# KiCad board TRS80IJP_1.kicad_pcb (continued)
## Nets
/RAM/V0: Z9.5 Z10.5 Z36.9
/RAM/V1: Z9.6 Z10.6 Z36.4
/RAM/V2: Z9.7 Z10.7 Z36.12
/RAM/V3: Z9.4 Z10.4 Z36.7
/RAM/V4: Z9.3 Z10.3 Z29.9
/RAM/V5: Z9.2 Z10.2 Z29.4
/RAM/V6: Z8.9 Z9.1 Z10.1
/RAM/V7: Z8.12 Z9.17 Z10.17
/RAM/V8: Z8.4 Z9.16 Z10.16
/RAM/V9: Z8.7 Z9.15 Z10.15
GND: C1.2 C3.2 C4.2 C5.1 C6.1 C7.1 C8.1 C9.2 C10.2 C12.2 C13.1 C14.2 C15.1 C19.2 C20.1 C22.1 C23.1 C24.1 C25.1 C26.1 C27.1 C28.1 C29.1 C30.1 C31.1 C32.1 C33.1 C34.1 C35.1 C36.1 C37.1 C38.1 C39.1 C40.2 C41.1 C44.1 C45.1 C46.1 C47.1 C48.1 C49.1 C51.1 C52.1 C53.1 C54.1 C55.1 C56.1 C57.2 C58.1 C59.1 C63.1 C64.1 C65.1 C66.1 C67.1 C68.1 C69.1 C70.2 C71.1 C72.1 CN1.19 CN2.19 CR2.2 CR3.1 E1.8 E1.29 E1.37 FAN1.4 J1.4 J2.5 J3.2 JP4.4 JP5.4 NOREF.0 R2.1 R6.2 R8.2 R24.2 R25.2 R27.1 R37.1 R53.2 S2.1 Z1.7 Z2.7 Z3.4 Z4.8 Z5.7 Z6.10 Z7.10 Z8.8 Z8.15 Z9.8 Z9.9 Z10.8 Z10.9 Z11.8 Z12.10 Z13.8 Z13.15 Z14.8 Z14.15 Z15.16 Z16.16 Z17.16 Z18.16 Z19.16 Z20.16 Z21.16 Z22.16 Z23.10 Z23.19 Z24.8 Z25.7 Z26.7 Z27.5 Z27.8 Z27.15 Z28.10 Z29.8 Z29.15 Z30.8 Z31.7 Z32.7 Z33.7 Z34.2 Z34.3 Z34.10 Z35.10 Z36.8 Z36.15 Z37.9 Z38.9 Z39.1 Z39.8 Z39.15 Z40.7 Z41.7 Z42.12 Z43.12 Z44.7 Z45.7 Z46.7 Z47.7 Z48.29 Z49.10 Z50.7 Z51.7 Z52.7 Z53.7 Z53.12 Z54.7 Z55.7 Z56.8 Z57.1 Z57.2 Z57.3 Z57.6 Z57.8 Z57.14 Z58.1 Z58.2 Z58.3 Z58.6 Z58.8 Z59.8 Z60.7 Z61.8 Z62.7 Z63.7 Z64.7 Z65.10 Z66.8 Z66.15 Z67.7 Z68.10
P5V: C12.1 C13.2 C20.2 C22.2 C23.2 C24.2 C25.2 C26.2 C29.2 C32.2 C35.2 C38.2 C39.2 C44.2 C45.2 C46.2 C47.2 C49.2 C51.2 C52.2 C53.2 C54.2 C55.2 C56.2 C58.2 C59.2 C63.2 C64.2 C65.2 C66.2 C67.2 C68.2 C69.2 C71.2 C72.2 CN1.1 CN2.1 CR2.1 CR4.1 FAN1.3 JP9.1 K1.5 Q2.1 R5.2 R7.2 R16.2 R19.2 R20.1 R31.2 R34.1 R39.2 R40.2 R41.1 R48.1 R49.2 R52.2 R54.1 R55.1 R64.1 R65.1 R66.1 R67.1 R68.1 R69.1 R70.1 R71.1 R72.1 R74.1 R75.2 R76.1 R77.1 RP1.1 RP2.1 Z1.3 Z3.8 Z4.16 Z5.14 Z6.5 Z7.5 Z8.16 Z9.18 Z10.18 Z11.16 Z12.20 Z13.16 Z14.16 Z15.9 Z16.9 Z17.9 Z18.9 Z19.9 Z20.9 Z21.9 Z22.9 Z23.20 Z24.16 Z26.14 Z27.16 Z28.5 Z29.16 Z30.16 Z31.14 Z32.14 Z33.14 Z34.5 Z35.5 Z36.16 Z37.18 Z38.18 Z39.16 Z40.14 Z41.14 Z42.24 Z43.24 Z44.14 Z45.14 Z46.14 Z47.14 Z48.11 Z49.20 Z50.14 Z51.14 Z52.14 Z53.14 Z54.14 Z55.14 Z56.16 Z57.16 Z58.16 Z59.16 Z60.14 Z61.16 Z62.14 Z63.14 Z64.14 Z65.5 Z66.16 Z67.14 Z68.20
P12V: C14.1 C15.2 C27.2 C30.2 C33.2 C36.2 FAN1.1 R26.1 R30.1 Z1.11 Z1.12 Z2.3 Z15.8 Z16.8 Z17.8 Z18.8 Z19.8 Z20.8 Z21.8 Z22.8
!HALT: Z47.5 Z48.18
!IORQ: Z48.20 Z64.9 Z67.5 Z67.9
!M1: Z48.27 Z64.10
!MREQ: Z48.19 Z66.2 Z67.2 Z67.13
!NMI: Z45.10 Z48.17
!RD: Z44.10 Z47.9 Z48.21 Z67.10 Z67.12
!RESET: Z46.12 Z48.26
!SHIFT: Z50.12 Z57.7 Z58.7
!WR: Z44.9 Z48.22 Z67.1 Z67.4
/CPU/A0: CN1.5 CN2.5 E1.25 Z14.2 Z41.6 Z42.8 Z43.8 Z68.9
/CPU/A1: CN1.4 CN2.4 E1.27 Z14.5 Z41.5 Z42.7 Z43.7 Z68.12
/CPU/A2: CN1.6 CN2.6 E1.40 Z14.11 Z41.4 Z42.6 Z43.6 Z68.7
/CPU/A3: CN1.9 CN2.9 E1.34 Z14.14 Z41.3 Z42.5 Z43.5 Z68.14
/CPU/A4: CN1.2 CN2.2 E1.31 Z13.2 Z29.11 Z41.11 Z42.4 Z43.4 Z68.5
/CPU/A5: CN1.3 CN2.3 E1.35 Z13.5 Z41.12 Z42.3 Z43.3 Z68.16
/CPU/A6: CN1.7 CN2.7 E1.38 Z13.11 Z41.2 Z42.2 Z43.2 Z68.3
/CPU/A7: CN1.8 CN2.8 E1.36 Z14.3 Z41.1 Z42.1 Z43.1 Z68.18
/CPU/A8: E1.11 Z14.6 Z42.23 Z43.23
/CPU/A9: E1.17 Z14.10 Z42.22 Z43.22
/CPU/A10: E1.4
/CPU/A11: E1.9
/CPU/A12: E1.5
/CPU/A13: E1.6
/CPU/A14: E1.10
/CPU/A15: E1.7
/CPU/D0: E1.30 RP1.7 Z4.13 Z12.12 Z22.2 Z23.17 Z24.13
/CPU/D1: E1.22 RP1.4 Z4.12 Z12.11 Z21.2 Z23.18 Z24.3
/CPU/D2: E1.32 RP1.8 Z4.4 Z12.18 Z20.2 Z23.15 Z24.11
/CPU/D3: E1.26 RP1.9 Z4.5 Z12.17 Z19.2 Z30.11
/CPU/D4: E1.18 RP1.2 Z12.16 Z18.2 Z23.12 Z30.13
/CPU/D5: E1.28 RP1.6 Z12.15 Z17.2 Z23.13 Z24.9
/CPU/D6: E1.24 RP1.5 Z12.14 Z16.2 Z23.14 Z24.7 Z59.3
/CPU/D7: E1.20 RP1.3 Z12.13 Z15.2 Z23.16 Z24.5 Z53.2 Z59.5
/CPU/UA0: Z48.30 Z68.11
/CPU/UA1: Z48.31 Z68.8
/CPU/UA2: Z48.32 Z68.13
/CPU/UA3: Z48.33 Z68.6
/CPU/UA4: Z48.34 Z68.15
/CPU/UA5: Z48.35 Z68.4
/CPU/UA6: Z48.36 Z68.17
/CPU/UA7: Z48.37 Z68.2
/CPU/UA8: Z48.38 Z49.6
/CPU/UA9: Z48.39 Z49.4
/CPU/UA10: Z48.40 Z49.2
/CPU/UA11: Z48.1 Z49.17
/CPU/UA12: Z48.2 Z49.15
/CPU/UA13: Z48.3 Z49.13
/CPU/UA14: Z48.4 Z49.8
/CPU/UA15: Z48.5 Z49.11
/CPU/UD0: Z23.3 Z48.14
/CPU/UD1: Z23.2 Z48.15
/CPU/UD2: Z23.5 Z48.12
/CPU/UD3: Z23.9 Z48.8
/CPU/UD4: Z23.8 Z48.7
/CPU/UD5: Z23.7 Z48.9
/CPU/UD6: Z23.6 Z48.10
/CPU/UD7: Z23.4 Z48.13
/KEYBOARD & EDGE CONNECTOR/MD0: CN1.11 CN2.11 RP2.3 Z22.14 Z24.14 Z42.9 Z43.9
/KEYBOARD & EDGE CONNECTOR/MD1: CN1.12 CN2.16 RP2.2 Z21.14 Z24.2 Z42.10 Z43.10
/KEYBOARD & EDGE CONNECTOR/MD2: CN1.13 CN2.10 RP2.5 Z20.14 Z24.12 Z42.11 Z43.11
/KEYBOARD & EDGE CONNECTOR/MD3: CN1.14 CN2.13 RP2.7 Z19.14 Z30.12 Z42.13 Z43.13
/KEYBOARD & EDGE CONNECTOR/MD4: CN1.15 CN2.18 RP2.9 Z18.14 Z30.14 Z42.14 Z43.14
/KEYBOARD & EDGE CONNECTOR/MD5: CN1.16 CN2.12 RP2.8 Z17.14 Z24.10 Z42.15 Z43.15
/KEYBOARD & EDGE CONNECTOR/MD6: CN1.17 CN2.15 RP2.6 Z16.14 Z24.6 Z42.16 Z43.16
/KEYBOARD & EDGE CONNECTOR/MD7: CN1.18 CN2.17 RP2.4 Z15.14 Z24.4 Z42.17 Z43.17
/MEMORY/SMA0: R104.2 Z15.5 Z16.5 Z17.5 Z18.5 Z19.5 Z20.5 Z21.5 Z22.5
/MEMORY/SMA1: R107.2 Z15.7 Z16.7 Z17.7 Z18.7 Z19.7 Z20.7 Z21.7 Z22.7
/MEMORY/SMA2: R108.2 Z15.6 Z16.6 Z17.6 Z18.6 Z19.6 Z20.6 Z21.6 Z22.6
/MEMORY/SMA3: R103.2 Z15.12 Z16.12 Z17.12 Z18.12 Z19.12 Z20.12 Z21.12 Z22.12
/MEMORY/SMA4: R105.2 Z15.11 Z16.11 Z17.11 Z18.11 Z19.11 Z20.11 Z21.11 Z22.11
/MEMORY/SMA5: R106.2 Z15.10 Z16.10 Z17.10 Z18.10 Z19.10 Z20.10 Z21.10 Z22.10
/MEMORY/SMA6: R102.2 Z15.13 Z16.13 Z17.13 Z18.13 Z19.13 Z20.13 Z21.13 Z22.13
/RAM/BIT0: Z10.14 Z11.14 Z12.8
/RAM/BIT1: Z10.13 Z11.13 Z12.9
/RAM/BIT2: Z10.12 Z11.3 Z12.2
/RAM/BIT3: Z10.11 Z11.6 Z12.3
/RAM/BIT4: Z9.14 Z11.4 Z12.4
/RAM/BIT5: Z9.13 Z11.11 Z12.5
/VIDEO/CA0: Z11.15 Z37.7 Z38.7 Z39.6
/VIDEO/CA1: Z11.12 Z37.6 Z38.6 Z39.10
/VIDEO/CA2: Z11.2 Z37.5 Z38.5 Z39.5
/VIDEO/CA3: Z11.7 Z37.4 Z38.4 Z39.11
/VIDEO/CA4: Z11.5 Z37.3 Z38.3 Z39.4
/VIDEO/CA5: Z11.10 Z37.2 Z38.2 Z39.12
/VIDEO/CD0: Z37.12 Z38.12 Z57.4
/VIDEO/CD1: Z37.13 Z38.13 Z57.5
/VIDEO/CD2: Z37.14 Z38.14 Z57.10
/VIDEO/CD3: Z37.15 Z38.15 Z57.11
/VIDEO/CD4: Z37.16 Z38.16 Z57.12
A0: Z36.11
A1: Z36.2
A2: Z36.14
A3: Z36.5
A5: Z29.2
A6: Z8.11
A7: Z8.14
A8: Z49.14
A9: Z49.16
A10: Z14.13 Z42.19 Z43.19 Z49.18 Z61.14
A11: Z13.3 Z42.18 Z43.18 Z49.3 Z61.13
A12: Z13.6 Z42.21 Z43.21 Z49.5 Z61.2
A13: Z13.10 Z49.7 Z61.3
A14: Z44.12 Z44.13 Z49.12 Z64.1
A15: Z49.9 Z64.5
BIT6: Z9.12 Z12.6 Z56.13
BIT7: Z9.11 Z12.7 Z56.4
BLANK: Z54.1 Z56.5
C1: Z27.7 Z36.10
C2: Z27.13 Z34.9 Z36.3
C4: Z27.14 Z28.14 Z34.8 Z36.13
C8: Z28.1 Z28.12 Z36.6 Z46.1
C16: Z5.10 Z28.9 Z29.10 Z51.13
C32: Z5.11 Z28.8 Z29.3
CA6: Z37.1 Z38.1 Z56.15
CAS: E1.3 Z59.14 Z66.7
CASSIN: C17.1 J3.4 R37.2
CGA!CS: Z37.17 Z53.5
CGB!CS: Z38.17 Z53.6
CHAIN: Z27.9 Z34.1
CLOCK: Z27.3 Z50.8 Z62.11 Z63.3 Z63.11 Z65.1 Z65.14
CLOCK2: Z27.2 Z65.12
CSA: Z60.10 Z60.11 Z61.4
CSB: JP1.1 Z61.5
CSC: JP2.1 Z61.6
CSD: JP3.1 Z61.12
CTR: Z6.6 Z6.7 Z46.8 Z65.6 Z65.7
D3: Z23.11
ENABLE: Z30.1 Z46.10 Z49.1 Z49.19 Z66.1 Z68.1 Z68.19
FTAPEE: Z40.3 Z59.1
FTAPEIN: Z31.4 Z31.8 Z59.4
H: Z32.5 Z32.13 Z62.5
H1: R74.2 Z62.4 Z62.10 Z63.4 Z63.10
HDRV: Z5.9 Z28.11 Z35.14 Z54.3 Z62.1
IN: E1.19 Z30.9 Z40.1
INT: E1.21 R77.2 Z48.16
INTAK: E1.14 Z64.8
KYBD: CN1.10 CN2.14 Z60.4 Z61.10
L1: Z35.1 Z35.12 Z37.11 Z38.11 Z45.2
L2: Z35.9 Z37.10 Z38.10
L4: JP10.4 Z5.3 Z35.8 Z37.8 Z38.8 Z39.14
L8: Z5.5 Z34.14 Z35.11 Z39.2 Z52.12 Z56.12
LATCH: Z11.9 Z31.11 Z50.11 Z53.11 Z56.9
M5V: C6.2 C7.2 C8.2 C28.2 C31.2 C34.2 C37.2 CR3.2 FAN1.2 R12.2 Z15.1 Z16.1 Z17.1 Z18.1 Z19.1 Z20.1 Z21.1 Z22.1
MCAS: R69.2 R101.1 Z59.13
MEM: Z24.1 Z24.15 Z30.15 Z40.8
MODESIG: Z4.6 Z27.1 Z59.2
MRAS: R76.2 R109.1 Z66.11
MUX: E1.16 Z13.1 Z14.1 Z66.5
OUT: E1.12 Z30.7 Z40.5
OUTSIG: Z4.9 Z31.5 Z40.6 Z53.3
R1: Z7.14 Z8.10 Z33.13 Z34.12 Z44.1
R2: JP7.4 Z5.13 Z7.1 Z7.12 Z8.13 Z33.11
R4: JP6.1 JP8.4 Z7.9 Z8.3
R8: JP6.4 Z7.8 Z8.6
RAM: Z59.15 Z60.3 Z64.11
RAS: E1.1 Z64.4 Z66.3 Z66.12
RD: E1.15 Z29.5 Z30.5 Z40.10
RELAY2: CR4.2 K1.2 Z3.5
RELAYA: J3.1 K1.3 R1.1
RELAYB: C2.2 J3.3 K1.1
ROMA: Z42.20 Z60.8 Z60.13
ROMB: JP2.2 R72.2 Z43.20 Z60.2
SCLR: R68.2 Z57.9 Z58.9
SHIFT: Z6.14 Z27.4 Z50.13
SHIFT57: Z55.6 Z57.15
SHIFT58: Z55.8 Z58.15
SHIFTQ: Z3.1 Z3.2 Z54.13
SYNC: C43.2 R11.1 Z32.3
SYSRES: E1.2 Z45.13
TEST: E1.23 R55.2 Z46.11 Z47.10 Z48.25
V: Z32.9 Z32.12 Z52.8
VA8: Z8.2
VA9: Z8.5
VCLR: Z11.1 Z53.8 Z56.1
VDRV: Z5.1 Z7.11 Z44.2 Z52.2 Z54.2
VID: Z8.1 Z29.1 Z36.1 Z53.10 Z61.9
VRD: Z29.7 Z51.1
VWR: Z9.10 Z10.10 Z29.12 Z40.12 Z40.13 Z51.2
WAIT: E1.33 R41.2 Z48.24
WR: E1.13 R110.1 Z29.14 Z30.3
Z3_6: Z3.6 Z3.7 Z4.2
Z23DIR: Z23.1 Z47.11
Z251IN+: R35.1 Z25.1
Z251IN-: R44.1 R45.2 Z25.6
Z251OUT: CR6.2 R45.1 Z25.5
Z252IN+: R36.2 R38.1 Z25.2
Z252IN-: R43.1 Z25.3
Z252OUT: CR5.2 R42.1 R43.2 R44.2 Z25.4
Z253IN+: R46.1 Z25.13
Z253IN-: R47.1 Z25.8
Z253OUT: C50.1 Z25.9
Z254IN+: R33.2 Z25.12
Z254IN-: R50.1 R51.2 Z25.11
Z254OUT: CR7.2 R46.2 R51.1 Z25.10
Ø: R75.1 Z48.6 Z66.13
Net-(C1-Pad1): C1.1 R33.1 R34.2 R35.2 R36.1
Net-(C2-Pad1): C2.1 R1.2
Net-(C5-Pad2): C5.2 R12.1 S1.8
Net-(C17-Pad2): C17.2 C18.1 R42.2
Net-(C18-Pad2): C18.2 R38.2
Net-(C40-Pad1): C40.1 R31.1 R32.2 Z47.4
Net-(C50-Pad2): C50.2 R52.1 R53.1 Z31.10
Net-(C57-Pad1): C57.1 Z45.8 Z45.9 Z45.11 Z47.6
Net-(C60-Pad1): C60.1 R57.1 Z50.3
Net-(C60-Pad2): C60.2 R56.2 Z50.6 Z50.9
Net-(C70-Pad1): C70.1 R49.1 Z47.1 Z47.2
Net-(CR1-+): CR1.1 S1.2
Net-(CR1--): CR1.3 S1.1
Net-(CR1-Pad2): CR1.2 J1.3
Net-(CR1-Pad4): CR1.4 J1.1
Net-(CR5-K): C48.2 CR5.1 CR6.1 R50.2
Net-(CR7-K): CR7.1 CR8.2
Net-(CR8-K): C41.2 CR8.1 R47.2
Net-(J1-Pad2): J1.2 S1.4
Net-(J3-Pad5): J3.5 R2.2 R3.1 R4.1
Net-(JP1-Pin_2): JP1.2 R71.2 Z60.9
Net-(JP3-Pin_2): JP3.2 R70.2 Z60.5
Net-(JP4-Pin_1): JP4.1 R65.2
Net-(JP4-Pin_2): JP4.2 JP4.3 Z53.4
Net-(JP5-Pin_1): JP5.1 R67.2
Net-(JP5-Pin_2): JP5.2 JP5.3 Z53.1
Net-(JP6-Pin_2): JP6.2 JP6.3 Z5.2
Net-(JP7-Pin_1): JP7.1 Z33.10
Net-(JP7-Pin_2): JP7.2 JP7.3 Z52.1
Net-(JP8-Pin_1): JP8.1 R64.2
Net-(JP8-Pin_2): JP8.2 JP8.3 Z52.10
Net-(JP9-Pin_2): J2.1 JP9.2
Net-(JP10-Pin_1): JP10.1 Z46.4
Net-(JP10-Pin_2): JP10.2 JP10.3 Z5.4
Net-(Q1-B): Q1.3 R8.1 R9.2 R10.2
Net-(Q1-C): C3.1 C4.1 Q1.2 R7.1
Net-(Q1-E): J2.4 Q1.1 R6.1
Net-(Q2-B): C43.1 Q2.3 R11.2
Net-(Q2-C): Q2.2 R10.1
Net-(Q3-B): Q3.3 R14.1 Z1.10
Net-(Q3-C): Q3.2 Q4.1 R13.1
Net-(Q3-E): Q3.1 Q4.3 R14.2 R15.2 R16.1
Net-(Q4-E): C10.1 Q4.2 R13.2 S1.6 S1.7
Net-(Q5-B): Q5.3 R20.2
Net-(Q5-C): Q5.2 R21.1
Net-(Q5-E): Q5.1 R17.2 Z1.5
Net-(Q6-B): Q6.1 R28.1 Z2.11
Net-(Q6-C): Q6.3 R29.1 R30.2 Z2.10
Net-(Q6-E): C9.1 Q6.2 R28.2 S1.5 Z2.12
Net-(R17-Pad1): R17.1 R24.1
Net-(R17-Pad3): R17.3 R18.2
Net-(R23-Pad1): R23.1 R25.1
Net-(R23-Pad3): R23.3 R26.2
Net-(R54-Pad2): R54.2 Z46.9
Net-(R56-Pad1): R56.1 Y1.1 Z50.5
Net-(R57-Pad2): R57.2 Y1.2 Z50.4
Net-(S2-B): R32.1 S2.2
Net-(Z1--): C11.1 R19.1 Z1.4
Net-(Z1-FC): C11.2 Z1.13
Net-(Z1-ILIM): R15.1 R21.2 Z1.2
Net-(Z1-VREF): R18.1 Z1.6
Net-(Z2-+): R22.1 Z2.5
Net-(Z2--): C16.1 R23.2 Z2.4
Net-(Z2-FC): C16.2 Z2.13
Net-(Z2-ILIM): R27.2 R29.2 Z2.2
Net-(Z2-VREF): R22.2 Z2.6
Net-(Z3-Pin_3): R9.1 Z3.3
Net-(Z4-Q3): R3.2 Z4.15
Net-(Z4-~{Mr}): R40.1 Z4.1
Net-(Z4-~{Q2}): R4.2 R5.1 Z4.11
Net-(Z6-CP1..3): Z6.1 Z6.12 Z31.13
Net-(Z7-R0(1)): Z7.2 Z7.3 Z26.10
Net-(Z12-A->B): Z12.1 Z40.11
Net-(Z12-CE): Z12.19 Z51.3
Net-(Z13-Za): R105.1 Z13.4
Net-(Z13-Zb): R106.1 Z13.7
Net-(Z13-Zc): R102.1 Z13.9
Net-(Z14-Za): R104.1 Z14.4
Net-(Z14-Zb): R107.1 Z14.7
Net-(Z14-Zc): R108.1 Z14.9
Net-(Z14-Zd): R103.1 Z14.12
Net-(Z15-Pin_3): R110.2 Z15.3 Z16.3 Z17.3 Z18.3 Z19.3 Z20.3 Z21.3 Z22.3
Net-(Z15-Pin_4): R109.2 Z15.4 Z16.4 Z17.4 Z18.4 Z19.4 Z20.4 Z21.4 Z22.4
Net-(Z15-Pin_15): R101.2 Z15.15 Z16.15 Z17.15 Z18.15 Z19.15 Z20.15 Z21.15 Z22.15
Net-(Z25-VCC): C19.1 R39.1 Z25.14
Net-(Z26-Pad1): Z5.6 Z26.1
Net-(Z26-Pad11): Z5.12 Z26.11
Net-(Z26-Pad13): Z5.8 Z26.13
Net-(Z27-I0c): Z6.9 Z27.11 Z31.12
Net-(Z27-I1b): Z6.8 Z27.6 Z27.10
Net-(Z27-Zd): Z27.12 Z62.3
Net-(Z28-R0(1)): Z26.12 Z28.2 Z28.3
Net-(Z29-I1b): R48.2 Z29.6 Z29.13
Net-(Z30-I1): Z30.2 Z67.3
Net-(Z30-I2): Z30.4 Z67.11
Net-(Z30-I3): Z30.6 Z67.6
Net-(Z30-I4): Z30.10 Z67.8
Net-(Z31-Pad6): Z31.6 Z31.9
Net-(Z32-Pad1): Z32.1 Z32.6
Net-(Z32-Pad2): Z32.2 Z32.8
Net-(Z32-Pad10): Z32.4 Z32.10 Z32.11
Net-(Z33-Pad12): Z33.12 Z52.13
Net-(Z35-R0(1)): Z26.2 Z35.2 Z35.3
Net-(Z39-Za): Z39.7 Z58.11 Z58.12 Z58.14
Net-(Z39-Zb): Z39.9 Z58.4 Z58.5 Z58.10
Net-(Z40-Pad2): Z40.2 Z40.4 Z41.8
Net-(Z40-Pad9): Z40.9 Z60.12
Net-(Z44-Pad3): Z44.3 Z45.3
Net-(Z44-Pad11): Z44.11 Z64.12
Net-(Z45-Pad1): Z45.1 Z46.3
Net-(Z45-Pad12): Z45.12 Z46.13 Z47.3
Net-(Z46-Pad2): Z46.2 Z51.12
Net-(Z47-Pad12): Z47.8 Z47.12 Z47.13
Net-(Z50-Pad10): Z50.10 Z55.4 Z55.12
Net-(Z52-Pad3): Z52.3 Z52.4
Net-(Z52-Pad6): Z52.6 Z52.9
Net-(Z52-Pad11): Z52.5 Z52.11
Net-(Z53B-~{R}): R66.2 Z53.13
Net-(Z56-Q0): Z55.13 Z56.2
Net-(Z56-Q1): Z55.5 Z55.9 Z55.10 Z56.7
Net-(Z56-~{Q0}): Z55.2 Z56.3
Net-(Z56-~{Q2}): Z55.1 Z56.11
Net-(Z57-Qh): Z54.11 Z57.13
Net-(Z58-Qh): Z54.12 Z58.13
Net-(Z60-Pad1): Z60.1 Z60.6
Net-(Z61A-E): Z61.1 Z64.3
Net-(Z61A-O3): Z61.7 Z61.15
Net-(Z62A-D): Z51.11 Z62.2
Net-(Z62B-D): Z62.12 Z63.9 Z66.4
Net-(Z62B-~{Q}): Z62.8 Z66.6
Net-(Z62B-~{R}): Z44.8 Z62.13 Z63.1 Z63.2 Z63.13
Net-(Z63A-Q): Z63.5 Z63.12
Net-(Z64-Pad13): Z64.2 Z64.6 Z64.13
Net-(Z65-Q3): Z65.8 Z66.14

Pads without a net: J1 5; J2 2 3; K1 4; NOREF#5 0; NOREF#8 0; Z1 1 8 9 14; Z2 1 8 9 14; Z4 3 7 10 14; Z6 2 3 4 11 13; Z7 4 6 7 13; Z13 12 13 14; Z26 3 4 5 6 8 9; Z28 4 6 7 13; Z31 1 2 3; Z33 1 2 3 4 5 6 8 9; Z34 4 6 7 11 13; Z35 4 6 7 13; Z39 3 13; Z41 9 10 13; Z44 4 5 6; Z45 4 5 6; Z46 5 6; Z48 23 28; Z50 1 2; Z51 4 5 6 8 9 10; Z53 9; Z54 4 5 6 8 9 10; Z55 3 11; Z56 6 10 14; Z59 6 7 9 10 11 12; Z61 11; Z62 6 9; Z63 6 8; Z65 2 3 4 9 11 13; Z66 9 10

## Via types
v1: diameter 0.8, hole 0.4, Top to Bottom, 748 vias

## Routing (per net, layer and track width the routed paths; a pad name or vN(x,y) marks a point on that pad's centre or on a via; arc(x,y) is an arc through that point)
/RAM/V0: length 90.8
  Top w0.25: Z10.5 130.21,107.47 128.99,106.25 120.9,106.25 119.67,107.48 118.96,107.48 118.95,107.47 Z9.5 117.31,107.39 v1(106.04,107.39)
  Bottom w0.25: v1(106.04,107.39) 106.91,106.52 106.91,53.03 106.79,52.91 106.79,46.8 Z36.9
/RAM/V1: length 80
  Top w0.25: Z10.6 130.3,104.93 128.98,103.61 123.59,103.61 122.27,104.93 Z9.6 111.03,104.81 110.04,104.82 104.67,104.82 v1(103.33,103.48)
  Bottom w0.25: Z36.4 102.36,57.05 102.38,57.05 102.47,57.14 102.47,89.66 102.82,90.01 102.82,102.97 v1(103.33,103.48)
/RAM/V2: length 80.7
  Top w0.25: v1(105.34,52.93) 105.4,52.87 Z36.12 ; Z10.7 130.27,102.39 129.38,101.5 127.59,101.5 127.21,101.12 121.04,101.12 119.77,102.39 Z9.7 106.73,102.39 v1(105.32,100.98)
  Bottom w0.25: v1(105.32,100.98) 106.2,100.1 106.2,84.01 106.21,84 106.21,53.8 v1(105.34,52.93)
/RAM/V3: length 94
  Top w0.25: v1(104.72,109.98) 104.75,110.01 Z9.4 119.45,110.01 120.72,108.74 128.74,108.74 130.01,110.01 Z10.4
  Bottom w0.25: v1(104.72,109.98) 104.21,109.47 104.21,106.25 105.68,104.78 105.68,103.56 103.76,101.64 103.76,89.48 103.28,89 103.28,54.43 102.85,54 102.85,49.92 Z36.7
/RAM/V4: length 62.7
  Top w0.25: v1(112.38,112.4) 112.53,112.4 112.78,112.15 116.6,112.15 117,112.55 Z9.3 119.81,112.55 121.18,111.18 128.77,111.18 130.14,112.55 Z10.3
  Bottom w0.25: Z29.9 110.31,75 110.31,75.94 109.95,76.3 109.95,95.58 111.25,96.88 111.25,107.27 112.39,108.41 112.39,112.39 v1(112.38,112.4)
/RAM/V5: length 63.5
  Top w0.25: v1(111.44,84.65) 104.91,84.65 103.52,83.26 102.43,83.26 102.36,83.33 Z29.4 ; Z10.2 130.07,115.09 128.8,113.82 121.16,113.82 119.89,115.09 Z9.2
  Bottom w0.25: Z9.2 114.02,115.09 113.48,114.55 113.48,113.04 114.17,112.35 114.17,108.76 112.08,106.67 112.08,95.95 110.7,94.57 110.7,85.39 v1(111.44,84.65)
/RAM/V6: length 39.1
  Top w0.25: Z10.1 129.79,117.63 128.5,116.34 121.88,116.34 120.59,117.63 Z9.1 113.23,117.63 v1(113.22,117.62)
  Bottom w0.25: Z8.9 108.82,101.5 109.28,101.5 110.39,102.61 110.39,107.53 110.93,108.07 110.93,113.68 113.22,115.97 v1(113.22,117.62)
/RAM/V7: length 39.3
  Top w0.25: Z10.17 138.95,116.31 129.94,116.31 128.75,115.1 128.42,115.09 Z9.17 121.04,115.09 119.86,116.27 115.89,116.27 115.72,116.1 111.21,116.1 v1(111.05,116.26)
  Bottom w0.25: Z8.12 110.1,110.4 110.1,115.31 v1(111.05,116.26)
/RAM/V8: length 43.3
  Top w0.25: Z8.4 104.6,115.06 110.04,115.06 110.28,114.82 113.71,114.82 114.1,115.21 115.21,115.21 116.68,113.74 120.06,113.74 121.3,112.56 121.49,112.55 Z9.16 128.76,112.55 130.01,113.8 138.92,113.8 Z10.16
/RAM/V9: length 48.7
  Top w0.25: v1(104.06,112.49) 109.75,112.49 111.33,110.91 115.71,110.91 116.07,111.27 119.59,111.27 120.95,109.91 124.18,109.91 124.28,110.01 Z9.15 128.9,110.01 130.13,111.24 134.95,111.24 136.3,110.02 136.4,110.01 Z10.15
  Bottom w0.25: v1(104.06,112.49) 103.17,111.6 103.17,106.01 Z8.7
GND: length 1782.7
  Top w0.25: Z40.7 162.97,50.15 161.85,50.15 157.09,54.91 157.09,57.36 157.55,57.82 157.55,59.67 156.73,60.49 Z39.15 155.44,60.48 154.46,60.48 151.91,63.03 Z39.1 ; Z27.15 78,88.39 78.31,88.7 v1(83.26,88.7) ; 71.82,71.77 71.69,71.77 Z27.8 69.36,72.06 68.99,72.06 ; v1(318.59,122.76) 320.56,124.73 333.1,124.73 v1(333.89,123.94) ; Z23.19 338.05,120.3 334.07,120.3 v1(333.88,120.49) ; Z49.10 345.94,43.33 346.47,42.8 v1(357.11,42.8) ; 163.06,47.95 163.07,47.94 ; Z66.15 297.59,34.99 v1(297.92,34.66) ; 51.27,103.67 51.22,103.62
  Top w1: Z58.3 Z57.14 Z57.3 ; C20.1 51.99,115.56 51.99,111.41 49.43,110 49.44,104.59 51.27,103.67 ; v1(75.41,57.48) 74.94,57.95 Z34.3 66.55,57.95 C52.1
  Top w1.5: 40.99,45.27 39.91,46.35 Z32.7 39.91,46.2 38.95,45.24 ; C68.1 265.88,17.93 265.89,17.92 ; Z48.29 337.9,36.3 338.03,36.17 ; Z48.29 335.6,35.93 338.39,33.58 ; Z48.29 335.7,36.3 336.44,37.04 337.72,37.04 337.75,37.01 ; v1(382.64,169.01) v1(382.64,170.99) ; Z36.15 113.47,56.98 C53.1 ; 363.54,165.69 365.32,167.47 v1(365.32,168.78) 365.32,167.18 366.7,165.8 ; 40.99,98.63 39.87,99.75 Z4.8 39.87,99.69 38.98,98.8 ; 133.49,42.71 132.72,43.48 Z38.9 132.72,43.77 131.59,42.64 ; 274.88,172.27 274.79,172.27 R25.2 ; 30.88,103.55 30.88,98.82 30.87,98.81 ; 298.6,47.93 300.21,48.69 Z47.7 ; 56.77,100.86 55.15,102.48 Z5.7 55.15,99.76 54.23,98.84 ; 162.25,17.61 163.26,18.62 Z59.8 163.26,18.47 164.06,17.67 ; 275.95,166.99 274.83,165.87 R27.1 274.65,165.86 275.95,164.52 ; 275.95,166.99 275.95,170.66 ; 275.95,166.99 275.95,164.52 ; Z13.15 187.63,115.09 C26.1 ; 275.95,170.66 275.68,170.93 R25.2 ; 275.95,170.66 275.95,173.44 275.94,173.43 R24.2 273.46,170.94 R25.2 ; 84.77,17.56 85.58,18.37 Z54.7 85.58,18.34 86.49,17.43 ; 51.2,100.48 51.2,99.79 52.17,98.82 ; 51.2,100.48 51.2,99.92 50.1,98.82 ; 51.2,100.48 51.22,103.62 ; 51.2,100.48 51.19,98.62 ; 51.2,100.48 51.2,99.67 ; v1(104.78,88.41) 104.79,88.41 Z29.15 108.49,88.42 C45.1 ; 118.6,42.57 117.42,43.75 Z37.9 117.42,43.77 116.24,42.59 ; C14.2 275.92,159.49 275.94,159.47 275.95,159.48 275.95,164.52 ; 146.91,15.02 147.73,15.84 Z58.8 147.73,15.8 148.72,14.81 ; 10.88,17.04 9.25,18.67 Z50.7 9.25,18.64 8.23,17.62 ; 23.79,45.33 24.58,46.12 Z31.7 24.58,46.45 25.75,45.28 ; 55.92,17.34 55.02,18.24 Z52.7 55.02,18.36 54.12,17.46 ; 255.77,19.06 254.44,20.39 254.44,22.32 254.44,20.59 253.23,19.38 ; C1.2 5.24,127.82 5.15,127.91 ; Z36.8 100.72,44.15 100.73,44.14 ; 65.44,101.3 66.53,102.39 C22.1 66.53,102.36 67.73,101.16 ; 284.15,17.47 285.1,18.42 Z66.8 285.1,18.15 286.04,17.21 ; 54,45.12 55.12,46.24 Z33.7 55.12,46.41 56.42,45.11 ; Z29.8 100.86,71.63 ; 346.98,11.89 345.99,12.88 Z68.10 345.99,13.17 344.8,11.98 ; 300.22,19.59 300.28,21.76 ; Z26.7 55.05,73.19 55.08,73.16 ; 203.7,8.37 C67.1 203.79,8.39 v1(208.19,8.39) ; Z39.8 147.83,43.85 ; Z40.7 163.06,47.95 ; 174.53,160.5 176.84,158.19 FAN1.4 ; v1(269.88,138.01) 269.71,138.01 Z2.7 261.3,138.01 261.28,138.02 261.26,138.02 258.01,134.77 C13.1 ; 299.19,19.54 300.28,20.63 Z67.7 300.28,20.41 301.15,19.54 ; Z56.8 117.38,15.24 ; 175.04,154.27 175.04,155.01 FAN1.4 ; 270.78,47.86 269.8,48.84 Z45.7 ; 25.62,17.39 24.53,18.48 Z51.7 24.53,18.6 23.64,17.71 ; 177.22,97.23 177.07,97.38 Z13.8 177.07,98.4 177.93,97.55 ; Z45.7 269.8,48.98 269.04,48.22 ; Z45.7 269.8,48.72 ; CN2.19 356.86,4.16 ; 284.11,47.73 284.95,48.57 Z46.7 284.95,48.66 285.73,47.88 ; Z7.10 C23.1 ; 133.63,14.81 132.71,15.73 Z57.8 132.71,16.01 131.17,14.47 129.73,14.47 v1(129.72,14.48) ; 6.83,44.92 8,46.09 R53.2 8,46.32 9.02,45.3 ; v1(221.83,122.82) 222.61,122.85 v1(236.88,122.87) 247.57,122.82 v1(248.49,122.81) 258.92,122.8 v1(259.8,122.78) 261.07,122.77 v1(275.47,122.69) v1(288.89,122.73) v1(303.29,122.72) 316.56,122.74 v1(318.59,122.76) ; FAN1.4 176.75,158.19 176.08,157.52 ; 69.48,17.35 70.36,18.23 Z53.7 70.36,18.3 71.43,17.23 ; 99.93,17.72 100.68,18.47 Z55.7 100.68,18.42 101.86,17.24 ; v1(360.53,28.96) v1(357.03,28.96) ; C15.1 v1(276.13,134.33) ; 12.66,52.48 11.92,53.22 C49.1
  Top w2: v1(178.26,49.07) 178.5,49.04 C54.1 193.65,49.04 193.66,49.05 193.65,49.06 Z42.12 ; v1(318.66,94.9) 216.75,94.91 ; 14.83,175.56 15.46,174.93 J3.2 ; 330.63,96.86 330.49,97 Z23.10 ; Z23.10 330.49,98.75 332.62,96.62 340.48,96.62 343.2,99.34 344.31,99.34 346.12,101.15 v1(346.23,101.07) ; Z23.10 330.49,98.76 321.76,90.03 320.61,90.03
  Bottom w0.25: Z9.8 119.63,102.09 119.63,118.04 118.51,119.16 111.24,119.16 Z8.15 ; Z27.8 68.87,74.59 68.87,79.19 Z27.5 ; 254.64,50.33 v1(254.62,47.54) ; 213.83,47.85 v1(213.84,47.62) ; 93.33,52.86 Z35.10 ; v1(333.89,123.94) 333.89,120.5 v1(333.88,120.49) ; v1(83.26,88.7) 83.67,88.29 83.67,85.84 83.7,85.81 83.7,82.61 83.99,82.32 83.99,74.31 85.15,73.15 v1(85.15,70.59) ; v1(297.92,34.66) 298.62,33.96 298.77,23.68 Z67.7 ; 75.6,107.19 75.6,107.04 ; 223.88,19.56 v1(223.91,19.53)
  Bottom w1: Z6.10 75.6,107.73 75.6,107.19 ; 75.41,52.76 75.52,52.87 Z34.10 ; 75.41,52.76 v1(75.41,57.48) ; 75.41,52.76 75.41,45.59 v1(75.82,45.18) ; Z60.7 v1(178.25,18.21) ; Z34.3 Z34.2 ; 93.33,52.86 90.91,51.51 90.78,46.62 v1(91.06,45.32) ; Z58.3 Z58.2 Z58.1 ; Z43.12 213.83,47.85 ; 75.6,107.04 v1(75.65,101.17)
  Bottom w1.25: Z14.15 197.22,115.09 192.62,119.69 189.65,119.69 C26.1 188.5,110.88 188.84,106.65 188.84,101.36 190.35,99.85 Z14.8 v1(191.08,92.14)
  Bottom w1.5: C56.1 266.09,56.86 267.62,55.33 267.62,51.68 268.91,50.32 Z45.7 ; 129.91,21.11 131.15,22.35 Z57.6 131.23,22.35 130.27,23.31 ; E1.37 376.94,175.88 376.1,175.04 376.1,169.51 v1(376.87,168.74) 376.87,172.51 ; E1.37 376.94,175.6 382.64,169.9 v1(382.64,169.01) 382.66,168.99 v1(384.8,168.99) ; E1.37 376.87,178.78 376.87,172.51 ; 221.62,116.35 221.62,95.16 v1(221.61,94.87) C27.1 ; 221.62,116.35 222.9,117.63 Z15.16 222.88,117.63 221.62,118.89 ; 221.62,116.35 221.62,118.89 ; 75.59,28.8 v1(75.59,17.08) ; 75.59,28.8 76.76,29.97 ; 75.59,28.8 75.6,31.13 ; v1(90.99,100.88) 91,107.44 Z7.10 ; C71.1 310.03,30.69 309.97,29.09 309.94,20.9 v1(309.2,18.95) ; Z16.16 237.61,117.63 ; Z41.7 176.14,60.76 176.14,60.36 176.11,53.83 v1(178.26,49.07) ; C15.1 271.06,134.29 270.29,134.29 269.88,134.7 v1(269.88,138.01) 269.88,154.86 272.22,157.2 272.17,157.25 C14.2 ; Z63.7 239.3,19.1 v1(239.32,19.08) ; 249.04,117.63 247.6,119.07 ; 249.04,117.63 247.6,116.19 247.6,115.76 ; 249.04,117.63 Z17.16 248.3,117.63 247.6,116.93 ; 247.6,119.07 247.6,116.93 ; 247.6,119.07 247.6,122.06 247.61,122.06 v1(248.49,122.81) ; Z3.4 30.88,103.55 ; 129.95,73.45 131.33,72.07 C46.1 130.91,72.07 130.33,71.49 ; 129.95,73.45 129.95,87.43 128.91,88.47 C24.1 ; 129.95,73.45 129.95,71.87 130.33,71.49 ; C69.1 284.95,43.05 Z46.7 ; Z28.10 90.9,79.19 90.88,78.38 90.88,71.12 v1(91.21,70.79) ; v1(303.29,122.72) 303.26,118.35 ; 303.26,118.35 303.98,117.63 305.35,117.63 303.83,117.63 303.26,117.06 ; 303.26,118.35 303.26,117.06 ; v1(45.11,98.61) 45.11,91.48 41.11,87.48 C41.1 41.11,72.01 v1(42.55,70.57) ; C34.1 v1(288.89,122.73) 288.87,121.75 289.34,120.99 289.34,118.23 ; Z61.8 208.79,8.99 v1(208.19,8.39) ; 256.3,129.85 256.64,129.85 C31.1 ; v1(382.64,170.99) 384.88,170.99 v1(384.9,170.97) 384.8,170.87 v1(384.8,168.99) ; v1(382.64,170.99) 383.79,171.65 378.71,173.73 378.09,173.73 376.87,172.51 ; v1(382.64,170.99) 384.64,168.99 v1(384.8,168.99) ; 76.76,29.97 75.6,31.13 ; 76.76,29.97 Z53.12 ; 257.81,129.93 258,130.46 C31.1 ; v1(133.73,94.7) 133.73,96.13 Z10.9 Z10.8 ; v1(104.82,70.83) 104.78,70.87 v1(104.78,88.41) ; 265.04,17.96 265.04,18.89 C68.1 ; v1(81.73,70.7) 81.72,70.71 81.72,75.43 C44.1 ; C59.1 13.06,25.48 14.53,24.01 v1(14.53,17.24) ; Z9.9 117.39,90.54 115.26,88.41 115.25,88.42 C45.1 ; v1(147.67,94.82) 147.69,94.84 Z11.8 145.64,101.05 145.62,113.49 C25.1 ; JP4.4 60.33,8.15 61.54,9.36 v1(61.54,17.26) ; 275.47,118.52 275.46,117.09 275.64,116.94 Z19.16 275.57,118.73 275.47,118.52 ; 275.47,118.52 275.49,121.48 v1(275.47,122.69) 275.47,130.42 278.54,133.49 ; C38.1 320.53,93.03 v1(318.66,94.9) 318.66,100.42 318.59,100.49 318.59,117.11 ; v1(346.23,101.07) 345.96,101.58 Z24.8 ; Z62.7 223.88,19.56 ; 318.59,123.66 318.59,127.23 C37.1 ; C28.1 235.48,127.83 236.84,126.47 v1(236.88,122.87) 236.84,113.34 236.14,112.64 236.14,96.35 v1(237.59,94.93) 237.59,90.42 C29.1 ; 130.33,71.49 130.33,45.92 130.34,45.44 Z38.9 ; v1(279.91,19.21) 279.93,26.21 278.91,27.23 Z65.10 ; 318.59,117.11 319.11,117.63 Z22.16 319.23,117.63 318.59,118.27 ; 318.59,117.11 318.59,118.27 ; v1(239.01,47.82) 238.06,48.64 C55.1 ; 318.59,118.27 v1(318.59,122.76) ; 149.69,17.56 149.4,17.27 Z58.8 ; 275.47,117.07 275.31,97.86 v1(275.82,94.82) 275.84,94.53 C33.1 ; v1(37.53,17.13) 38.34,16.32 38.34,10.73 C63.1 ; 259.78,118.84 260.52,118.44 Z18.16 260.87,117.63 259.78,116.54 ; 259.78,118.84 259.78,116.54 ; 259.78,118.84 v1(259.8,122.78) 259.45,124.24 C31.1 ; 289.34,118.23 289.94,117.63 Z20.16 290.04,117.63 289.34,116.93 ; 289.34,118.23 289.34,116.93 ; C72.1 360.53,28.95 v1(360.53,28.96) ; Z8.8 100.83,98.34 v1(100.85,98.32) ; 303.26,117.06 v1(303.24,94.88) 303.24,91.07 C36.1 ; v1(366.97,73.65) 366.98,73.66 C47.1 ; v1(365.32,168.78) 365.49,168.95 E1.29 ; C53.1 113.53,51.04 111.65,49.16 v1(111.65,42.86) ; 75.6,31.13 75.63,40.91 JP5.4 ; C30.1 249.58,94.79 v1(249.45,94.92) 247.6,96.67 247.6,115.76 ; 149.87,22.34 149.86,22.35 Z58.6 ; 247.6,115.76 247.6,116.93 ; C70.2 Z47.7 ; 259.78,116.54 259.78,95.67 v1(259.77,94.91) 259.79,91.09 C32.1 ; 289.34,116.93 v1(289.33,94.88) 290.16,94.05 C35.1 ; v1(97.73,17.3) 96.93,17.3 C64.1 ; 221.62,118.89 221.62,122.68 v1(221.83,122.82) ; Z56.8 C65.1 ; Z1.7 249.22,137.99 250.76,139.53 250.58,139.71 C12.2
  Bottom w2: C58.1 366.95,46.53 v1(369.79,43.69) ; 356.88,4.19 356.88,11.02 v1(357.76,11.89)
  vias: v1(208.79,16.98) v1(357.09,44.67) v1(357.66,75.38) v1(357.68,73.13) v1(357.7,71.08) v1(357.79,13.63) v1(360.2,11.91) v1(360.29,13.64) v1(362.84,13.64) v1(362.84,11.91)
